# Altium PCB NG2092.PcbDoc (part 1 of 5) (continued)
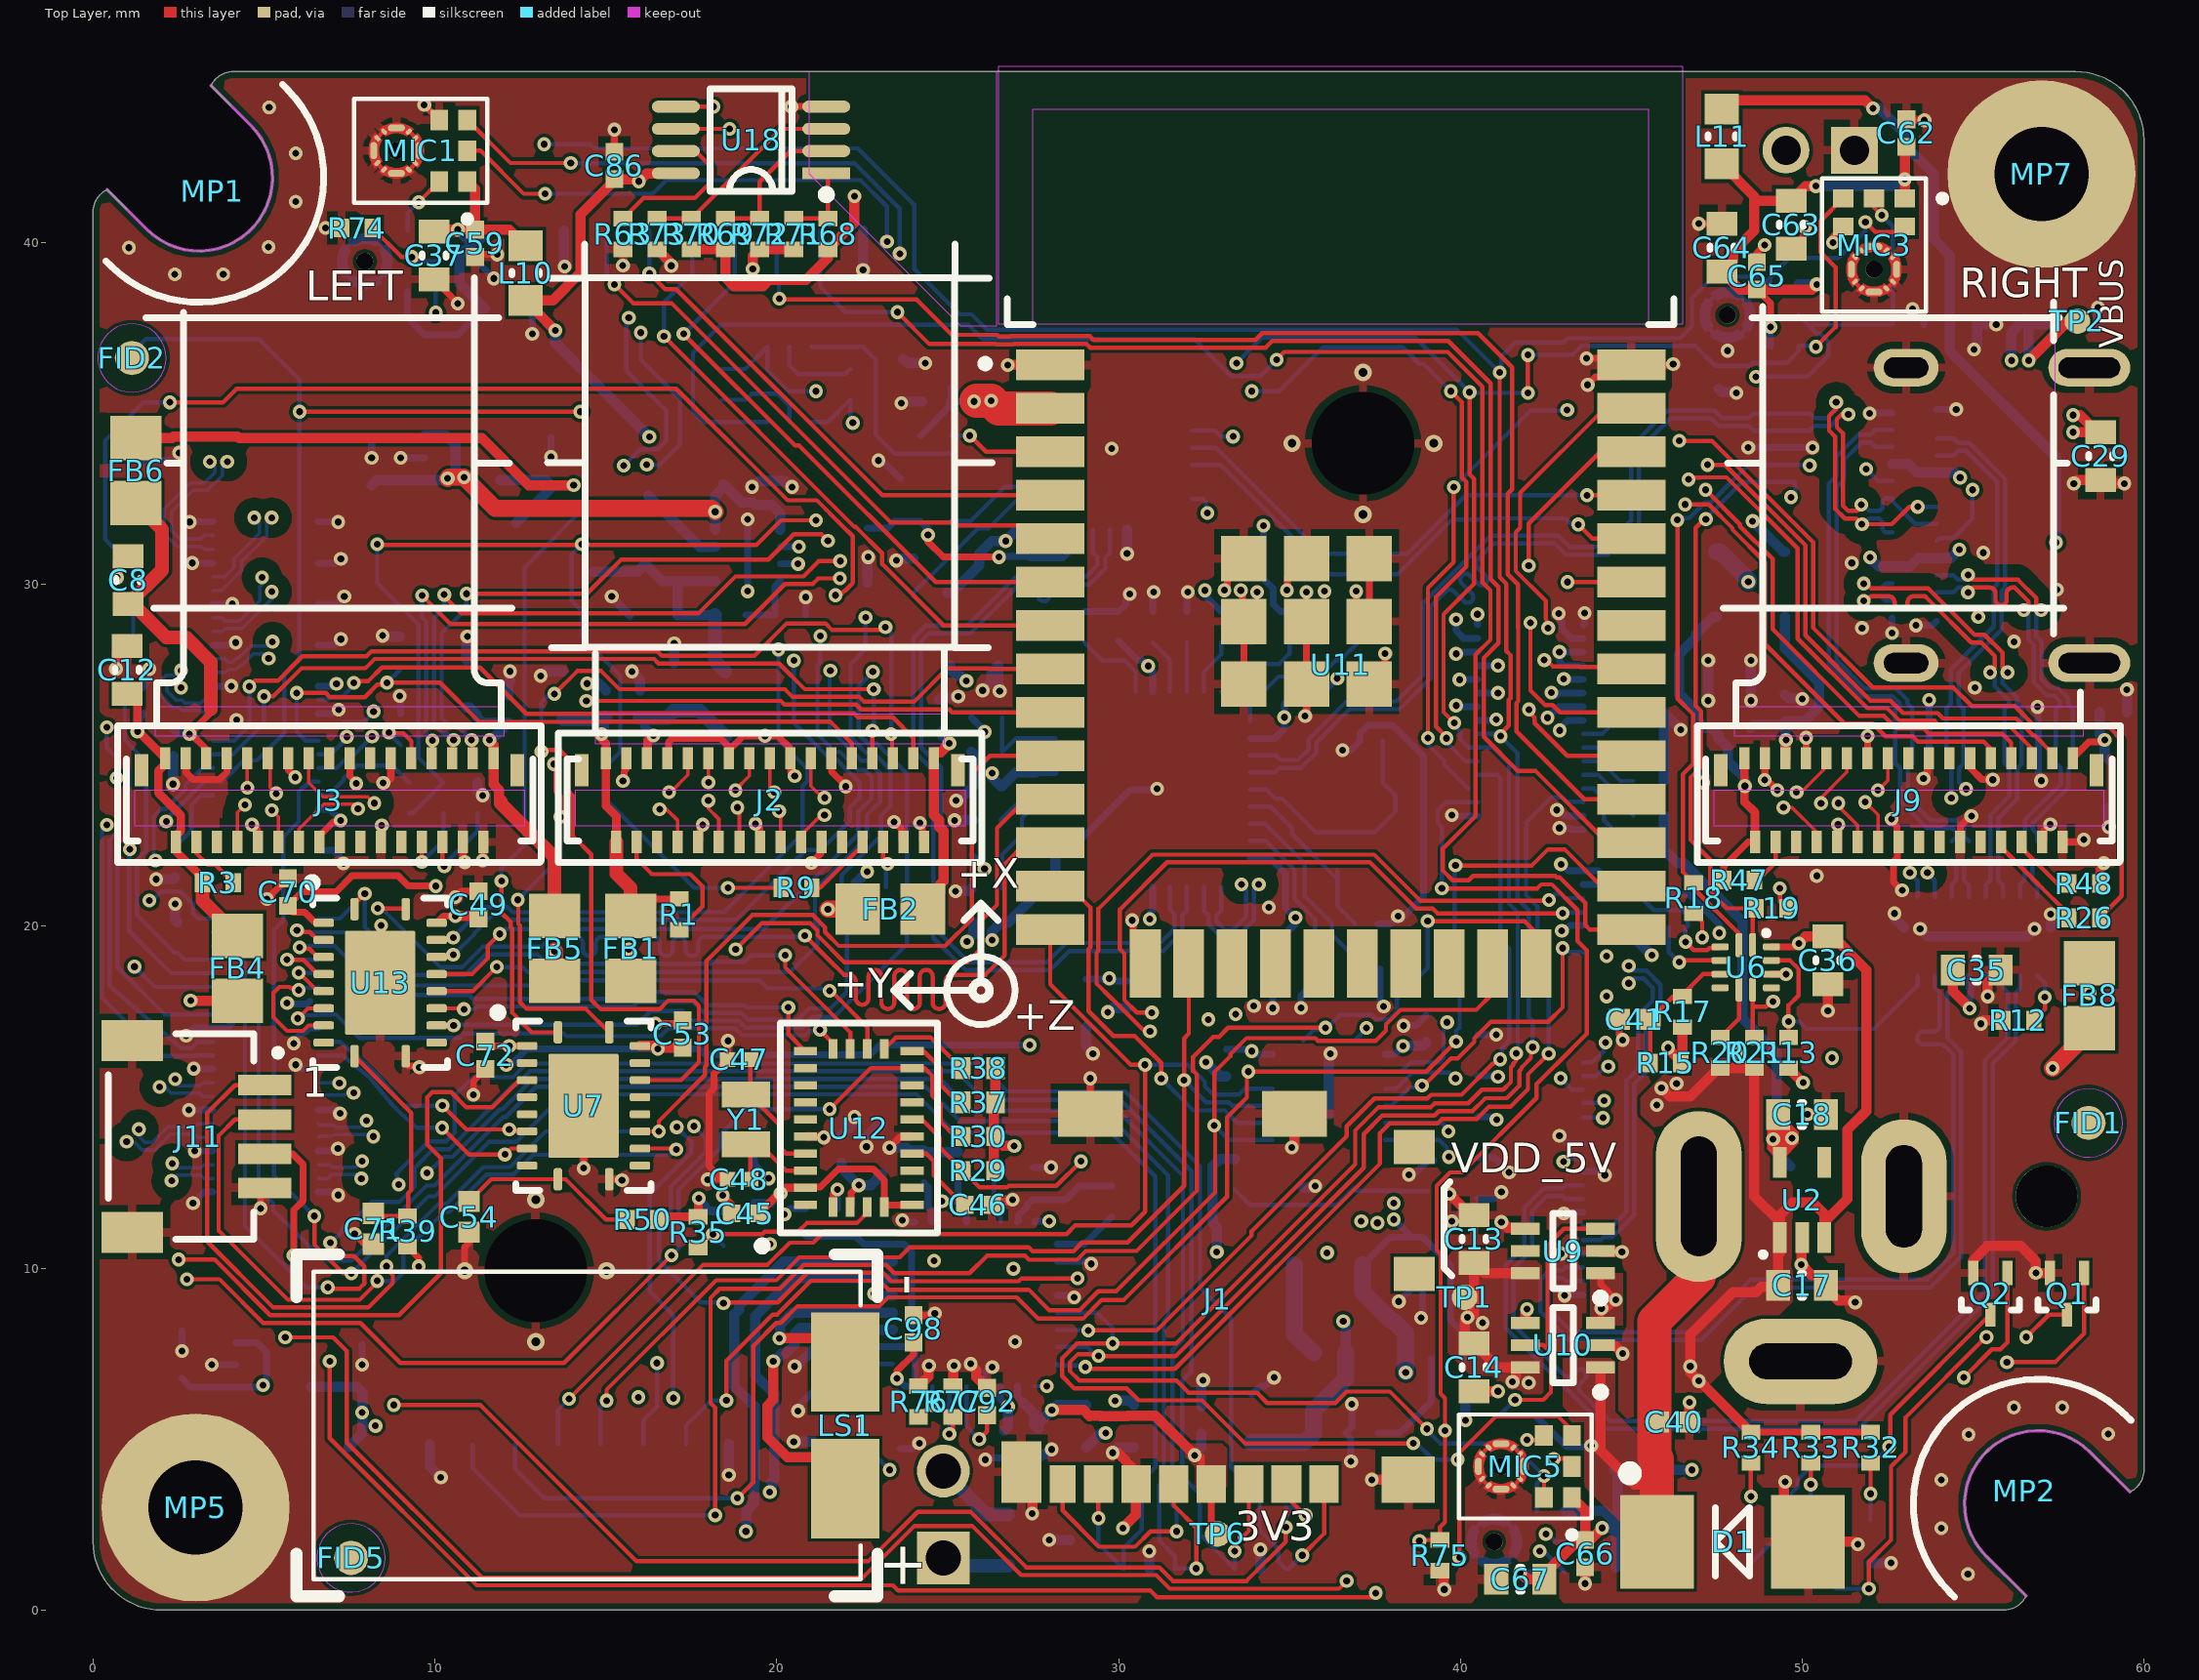
[diagram p0: Top Layer view]
## Components (designator, comment, footprint, x,y, rotation, side; value= is the part's Value field where it differs from the comment)
C1 "0.1uF 0402" CAPC0402(1005)70_L#1 16,26.5 r270 bottom
C2 "10uF 0603" CAPC0603(1608)100_L#1 17,27 r270 bottom
C3 "0.1uF 0402" CAPC0402(1005)70_L#1 24.75,26.225 r270 bottom
C4 "10uF 0603" CAPC0603(1608)100_L#1 25.775,27.625 r180 bottom
C5 "0.1uF 0402" CAPC0402(1005)70_L#1 15,26.5 r270 bottom
C6 "10uF 0603" CAPC0603(1608)100_L#1 13.75,26.75 r270 bottom
C7 "0.1uF 0402" CAPC0402(1005)70_L#1 2.35,25.375 r90 bottom
C8 "10uF 0603" CAPC0603(1608)100_L#1 1.025,30.125 r270 top
C9 "0.1uF 0402" CAPC0402(1005)70_L#1 12.15,26.35 r270 bottom
C10 "10uF 0603" CAPC0603(1608)100_L#1 10.925,27.1 r270 bottom
C11 "0.1uF 0402" CAPC0402(1005)70_L#1 1.4,26.6 r270 bottom
C12 "10uF 0603" CAPC0603(1608)100_L#1 1,27.5 r270 top
C13 "22uF 0603" CAPC0603(1608)100_L#1 40.4,10.85 r270 top
C14 "22uF 0603" CAPC0603(1608)100_L#1 40.4,7.1 r90 top
C15 "10uF 0603" CAPC0603(1608)100_L#1 33.9,5.6 r270 bottom
C16 "22uF 0603" CAPC0603(1608)100_L#2 38.9,10.1 r270 bottom
C17 "10uF 0603" CAPC0603(1608)100_L#1 50,9.5 r180 top
C18 "10uF 0603" CAPC0603(1608)100_L#1 50,14.5 r180 top
C19 "10uF 0603" CAPC0603(1608)100_L#1 2.6,7.475 r270 bottom
C20 "10uF 0603" CAPC0603(1608)100_L#1 7.875,7.075 r270 bottom
C21 "10uF 0603" CAPC0603(1608)100_L#1 19.15,33.025 r180 bottom
C22 "22uF 0603" CAPC0603(1608)100_L#1 16.4,29.1 r0 bottom
C23 "0.1uF 0402" CAPC0402(1005)70_L#1 49.5,26.375 r270 bottom
C24 "10uF 0603" CAPC0603(1608)100_L#1 48.5,26.5 r270 bottom
C25 "0.1uF 0402" CAPC0402(1005)70_L#1 59.1,26.25 r180 bottom
C26 "10uF 0603" CAPC0603(1608)100_L#1 58.975,24.175 r90 bottom
C27 "0.1uF 0402" CAPC0402(1005)70_L#1 47.5,24.75 r0 bottom
C28 "10uF 0603" CAPC0603(1608)100_L#1 47.25,26.5 r270 bottom
C29 "10uF 0603" CAPC0603(1608)100_L#2 58.725,33.75 r90 top
C30 "10uF 0603" CAPC0603(1608)100_L#2 55.825,37.775 r0 bottom
C31 "0.1uF 0201" CAPC0201(0603)33_L 54.877,22.208 r270 bottom
C32 "0.1uF 0201" CAPC0201(0603)33_L 54.377,22.208 r270 bottom
C33 "0.1uF 0201" CAPC0201(0603)33_L 56.877,22.208 r270 bottom
C34 "0.1uF 0201" CAPC0201(0603)33_L 56.377,22.208 r270 bottom
C35 "10uF 0603" CAPC0603(1608)100_L#2 55.1,18.725 r180 top
C36 "10uF 0603" CAPC0603(1608)100_L#2 50.75,19 r90 top
C37 "10uF 0603" CAPC0603(1608)100_L#1 9.975,39.625 r90 top
C38 "10uF 0603" CAPC0603(1608)100_L#1 8.15,33.6 r270 bottom
C39 "10uF 0603" CAPC0603(1608)100_L#1 13.4,33.6 r270 bottom
C40 "1uF 0402" CAPC0402(1005)70_N#1 46.25,5.5 r180 top
C41 "1uF 0402" CAPC0402(1005)70_N#1 45.1,17.275 r0 top
C42 "10uF 0603" CAPC0603(1608)100_L#2 23.075,13.45 r270 bottom
C43 "10uF 0603" CAPC0603(1608)100_L#2 19.35,12.6 r270 bottom
C44 "0.1uF 0402" CAPC0402(1005)70_L#2 21.9,13.475 r270 bottom
C45 "0.1uF 0402" CAPC0402(1005)70_L#2 19.075,11.6 r0 top
C46 "0.1uF 0402" CAPC0402(1005)70_L#2 25.9,11.85 r0 top
C47 "18pF 0201" CAPC0201(0603)33_N#1 18.9,16.1 r0 top
C48 "18pF 0201" CAPC0201(0603)33_N#1 18.9,12.6 r0 top
C49 "0.1uF 0402" CAPC0402(1005)70_L#2 11.275,20.625 r270 top
C50 "0.1uF 0402" CAPC0402(1005)70_L#2 33.15,16 r90 bottom
C51 "0.1uF 0402" CAPC0402(1005)70_L#2 39,17 r270 bottom
C52 "1uF 0402" CAPC0402(1005)70_N#1 39.05,12.7 r270 bottom
C53 "0.1uF 0402" CAPC0402(1005)70_L#2 17.25,16.85 r270 top
C54 "1uF 0402" CAPC0402(1005)70_N#1 11,11.5 r90 top
C55 "0.1uF 0402" CAPC0402(1005)70_L#2 24.65,35.35 r0 bottom
C56 "10uF 0603" CAPC0603(1608)100_L#2 24.4,36.6 r0 bottom
C57 "4.7uF 0603" CAPC0603(1608)100_N 24.4,33.1 r0 bottom
C58 "4.7uF 0603" CAPC0603(1608)100_N 22.65,30.85 r90 bottom
C59 "0.1uF 0402" CAPC0402(1005)70_L#1 11.175,39.975 r90 top
C60 "10uF 0603" CAPC0603(1608)100_L#1 12.15,38.075 r180 bottom
C61 "0.1uF 0402" CAPC0402(1005)70_L#1 11.35,39.725 r90 bottom
C62 "0.1uF 0402" CAPC0402(1005)70_L#1 53.05,43.2 r270 top
C63 "10uF 0603" CAPC0603(1608)100_L#1 49.675,40.525 r90 top
C64 "10uF 0603" CAPC0603(1608)100_L#1 47.65,39.85 r270 top
C65 "0.1uF 0402" CAPC0402(1005)70_L#1 48.675,39.025 r270 top
C66 "0.1uF 0402" CAPC0402(1005)70_L#1 43.65,1.65 r90 top
C67 "10uF 0603" CAPC0603(1608)100_L#1 41.75,0.9 r0 top
C68 "10uF 0603" CAPC0603(1608)100_L#1 45.25,1.25 r180 bottom
C69 "0.1uF 0402" CAPC0402(1005)70_L#1 45,2.5 r180 bottom
C70 "0.1uF 0402" CAPC0402(1005)70_L#2 5.7,21 r270 top
C71 "1uF 0402" CAPC0402(1005)70_N#1 8.2,11.15 r90 top
C72 "0.1uF 0402" CAPC0402(1005)70_L#2 11.475,16.225 r90 top
C73 "0.1uF 0402" CAPC0402(1005)70_L#2 32.425,5.55 r270 bottom
C74 "18pF 0201" CAPC0201(0603)33_N#2 37.25,20.075 r0 bottom
C75 "18pF 0201" CAPC0201(0603)33_N#2 37.4,25.425 r180 bottom
C76 "0.1uF 0402" CAPC0402(1005)70_L#2 34,28.75 r270 bottom
C77 "0.1uF 0402" CAPC0402(1005)70_L#2 37.25,18.75 r180 bottom
C78 "0.1uF 0402" CAPC0402(1005)70_L#2 26.15,23.1 r0 bottom
C79 "10uF 0603" CAPC0603(1608)100_L#1 29.05,17.75 r90 bottom
C80 "0.1uF 0402" CAPC0402(1005)70_L#2 30.25,18 r90 bottom
C81 "0.1uF 0402" CAPC0402(1005)70_L#2 34.75,19.25 r90 bottom
C82 "0.1uF 0402" CAPC0402(1005)70_L#2 35.5,26.75 r180 bottom
C83 "0.1uF 0402" CAPC0402(1005)70_L#2 30,28.75 r270 bottom
C84 "0.1uF 0402" CAPC0402(1005)70_L#2 26.15,24.1 r0 bottom
C85 "0.1uF 0402" CAPC0402(1005)70_L#2 26.15,20.1 r0 bottom
C86 "0.1uF 0402" CAPC0402(1005)70_L#2 15.25,42.25 r270 top
C89 "2.2uF 0402" CAPC0402(1005)70_N#2 29.8,11.95 r90 bottom
C91 "10uF 0603" CAPC0603(1608)100_L#1 21.775,4.925 r0 bottom
C92 "0.1uF 0402" CAPC0402(1005)70_L#2 26.15,6.1 r270 top
C93 "2.2uF 0402" CAPC0402(1005)70_N#2 21.55,6.425 r0 bottom
C94 "10uF 0603" CAPC0603(1608)100_L#1 29.75,4.75 r180 bottom
C95 "0.1uF 0402" CAPC0402(1005)70_L#2 26.65,4.85 r90 bottom
C96 "10uF 0603" CAPC0603(1608)100_L#1 29.75,6 r180 bottom
C97 "0.1uF 0402" CAPC0402(1005)70_L#2 27.65,4.85 r90 bottom
C98 "0.1uF 0402" CAPC0402(1005)70_L#2 24,8.225 r270 top
C99 "0.1uF 0402" CAPC0402(1005)70_L#2 20.85,11.35 r270 bottom
C100 "0.1uF 0402" CAPC0402(1005)70_L#2 21.55,7.7 r0 bottom
C101 "0.1uF 0402" CAPC0402(1005)70_L#2 21.775,11.325 r270 bottom
C102 "1uF 0402" CAPC0402(1005)70_N#1 25.3,12.95 r270 bottom
C103 "2.2uF 0402" CAPC0402(1005)70_N#2 27.05,12.95 r180 bottom
D1 "3W, 5.6V" 1SMB5919BT3G 47.96,2 r0 top
D2 "RED 0603" SML_D1XX8W 52,2 r90 bottom
D3 "ORANGE 0603" SML_D1XX8W 50.25,2 r90 bottom
D4 "ORANGE 0603" SML_D1XX8W 48.5,2 r90 bottom
D5 "PESD3V3L4UG,115" PESD3V3L4UG,115 34.15,2.1 r90 bottom
D6 "TPD4EUSB30DQAR" TPD4EUSB30DQAR 49.4,34 r270 bottom
D7 "TPD4EUSB30DQAR" TPD4EUSB30DQAR 53.715,25.575 r180 bottom
D8 "TPD4EUSB30DQAR" TPD4EUSB30DQAR 56.915,25.575 r180 bottom
D9 "PESD3V3L4UG,115" PESD3V3L4UG,115 30.9,2.1 r90 bottom
D10 "PESD5V0L4UG,115" PESD3V3L4UG,115 27.675,2.05 r180 bottom
FB1 "600R/100MHz" 2508056017Y2 15.725,19.35 r90 top
FB2 "600R/100MHz" 2508056017Y2 23.325,20.5 r0 top
FB3 "600R/100MHz" 2508056017Y2 18.5,26.5 r270 bottom
FB4 "600R/100MHz" 2508056017Y2 4.225,18.775 r90 top
FB5 "600R/100MHz" 2508056017Y2 13.5,19.35 r90 top
FB6 "600R/100MHz" 2508056017Y2 1.25,33.325 r270 top
FB7 "600R/100MHz" 2508056017Y2 47.5,30 r270 bottom
FB8 "600R/100MHz" 2508056017Y2 58.4,17.975 r90 top
FB9 "600R/100MHz" 2508056017Y2 49.5,30 r270 bottom
FID1 "FIDUCIAL_ROUND_1MM" FIDUCIAL_ROUND_1MM 58.375,14.25 r90 top
FID2 "FIDUCIAL_ROUND_1MM" FIDUCIAL_ROUND_1MM 1.139,36.622 r90 top
FID3 "FIDUCIAL_ROUND_1MM" FIDUCIAL_ROUND_1MM 58.375,14.25 r90 bottom
FID4 "FIDUCIAL_ROUND_1MM" FIDUCIAL_ROUND_1MM 3.75,35.725 r90 bottom
FID5 "FIDUCIAL_ROUND_1MM" FIDUCIAL_ROUND_1MM 7.55,1.525 r90 top
FID6 "FIDUCIAL_ROUND_1MM" FIDUCIAL_ROUND_1MM 10.3,1.675 r90 bottom
J1 "uSD push/pull" 104031-0811 32.9,9.1 r0 top locked
J2 "FH26W-33S-0.3SHW(60)" AC-PY004-IMX378 19.788,33.55 r0 top locked
J3 "FH26W-33S-0.3SHW(60)" AC-PY003-OV9282 6.9,33.55 r0 top
J4 "68000-102HLF" 68000-102HLF 24.875,2.795 r90 bottom
J5 "8pin 1.25mm Molex Picoblade" "MOLEX: 53398-0871" 18.15,40.35 r180 bottom locked
J6 "8pin 1.25mm Molex Picoblade" "MOLEX: 53398-0871" 14.225,4.85 r0 bottom
J7 "PJ-050AH or NEB21R" PJ-050AH/NEB21R_COMBO 53,12.1 r270 bottom locked
J8 "B2B-PH-K-S(LF)(SN)" B2B-PH-K-S(LF)(SN) 50.525,42.15 r0 bottom
J9 "FH26W-33S-0.3SHW(60)" AC-PY003-OV9282 53.1,33.55 r0 top
J10 "USB3.1 TYPEC 24P SMD RA" 105450-0101 53.28,32.02 r270 bottom locked
J11 "QUIIC, side entry" SM04B-SRSS-TB(LF)(SN) 3.087,13.85 r270 top locked
J12 "DF40C-100DP-0.4V Header" CON_BW2099_A 45.05,37.025 r270 bottom
J13 "DF40C-100DP-0.4V Header" CON_BW2099_B 45.05,37.025 r270 bottom
L1 "1uH, 3.2A, 20%" DFE252012P-1R0M=P2 16.15,31.6 r270 bottom
L2 "1uH, 3.2A, 20%" DFE252012P-1R0M=P2 36.15,10.1 r0 bottom
L10 "120R/100MHz" BLM18PG121SN1D_N 12.65,39.1 r90 top
L11 "120R/100MHz" BLM18PG121SN1D_N 47.65,43.1 r270 top
L12 "120R/100MHz" BLM18PG121SN1D_N 45.3,4.1 r180 bottom
LS1 "CMS-16093-078S-67" SPKR_CMS-16093-078S-67 14.45,5.4 r90 top
MH1 "M2, 3MM steel spacer on M2.5 mounting pad" 9774030243R 37.15,34.125 r270 bottom
MH2 "M2, 3MM steel spacer on M2.5 mounting pad" 9774030243R 12.95,9.925 r270 bottom
MIC1 "ICS-43434" ICS-43434 9.585,42.687 r270 top
MIC2 "ICS-43434" ICS-43434 8.661,39.45 r90 bottom
MIC3 "ICS-43434" ICS-43434 52.1,39.925 r0 top
MIC4 "ICS-43434" ICS-43434 48.525,37.875 r90 bottom
MIC5 "ICS-43434" ICS-43434 41.9,4.2 r270 top locked
MIC6 "ICS-43434" ICS-43434 41.7,2 r90 bottom
MP1 "Slot_Hole_M2.5" SLOT_HOLE_M2.5 0,45 r180 top
MP2 "Slot_Hole_M2.5" SLOT_HOLE_M2.5 60,0 r0 top
MP5 "MOUNTING_HOLE_M2.5" MOUNTING_HOLE_M2.5 3,3 r90 top
MP7 "MOUNTING_HOLE_M2.5" MOUNTING_HOLE_M2.5 57,42 r90 top
Q1 "RE1C002UNTCL" RE1C002UNTCL 57.75,9.25 r180 top
Q2 "RE1C002UNTCL" RE1C002UNTCL 55.5,9.25 r180 top
Q4 "BC847S" BC847S 20.4,35.85 r270 bottom
R1 "10K 0402" RESC0402(1005)_L#1 17.15,20.35 r270 top
R2 "10K 0402" RESC0402(1005)_L#1 9,25.75 r90 bottom
R3 "10K 0402" RESC0402(1005)_L#1 3.65,21.275 r0 top
R4 "22R 0402" RESC0402(1005)_L#1 9.25,23.75 r270 bottom
R5 "442K 0402" RESC0402(1005)_N#1 39.65,7.35 r0 bottom
R6 "97.6K 0402" RESC0402(1005)_N#1 39.65,6.1 r180 bottom
R7 "53.6k 0402" RESC0402(1005)_L#1 18.65,29.1 r180 bottom
R8 "39.2k 0402" RESC0402(1005)_L#1 20.4,29.1 r180 bottom
R9 "0R 0402" RESC0402(1005)_L#1 20.575,21.125 r180 top
R10 "100K 0402" RESC0402(1005)_L#1 53.1,37.6 r0 bottom
R11 "10K 0402" RESC0402(1005)_L#1 58.2,37.6 r180 bottom
R12 "10K 0402" RESC0402(1005)_L#1 56.325,17.25 r180 top
R13 "10K 0402" RESC0402(1005)_L#1 49.6,16.3 r270 top
R14 "10K 0402" RESC0402(1005)_L#1 45.65,20.925 r0 bottom
R15 "1.8MR 0402" RESC0402(1005)_L#1 46,16 r180 top
R16 "10K 0402" RESC0402(1005)_L#1 45.65,19.975 r180 bottom
R17 "1.8MR 0402" RESC0402(1005)_L#1 46.5,17.5 r90 top
R18 "0R 0402" RESC0402(1005)_L#1 46.825,20.825 r90 top
R19 "0R 0402" RESC0402(1005)_L#1 49.1,20.525 r180 top
R20 "10K 0402" RESC0402(1005)_L#1 47.6,16.3 r270 top
R21 "10K 0402" RESC0402(1005)_L#1 48.6,16.3 r270 top
R22 "10K 0402" RESC0402(1005)_L#2 45.5,22.25 r0 bottom
R23 "10K 0402" RESC0402(1005)_L#2 45.5,23.25 r0 bottom
R24 "0R 0402" RESC0402(1005)_L#1 10.25,23.75 r270 bottom
R25 "10K 0402" RESC0402(1005)_L#1 22.75,21.15 r180 bottom
R26 "0R 0402" RESC0402(1005)_L#1 58.25,20.25 r180 top
R27 "10K 0402" RESC0402(1005)_L#1 8.975,28.025 r90 bottom
R28 "10K 0402" RESC0402(1005)_L#1 11.25,23.75 r90 bottom
R29 "10K 0402" RESC0402(1005)_L#2 25.9,12.85 r0 top
R30 "10K 0402" RESC0402(1005)_L#2 25.9,13.85 r0 top
R31 "10K 0402" RESC0402(1005)_L#2 45.5,24.25 r180 bottom
R32 "1K 0402" RESC0402(1005)_L#1 52,4.75 r90 top
R33 "1K 0402" RESC0402(1005)_L#1 50.25,4.75 r90 top
R34 "1K 0402" RESC0402(1005)_L#1 48.5,4.75 r90 top
R35 "10K 0402" RESC0402(1005)_L#2 17.7,11.05 r90 top
R36 "0R 0402" RESC0402(1005)_L#1 18.9,10.65 r180 bottom
R37 "2.2K 0402" RESC0402(1005)_N#1 25.9,14.85 r180 top
R38 "2.2K 0402" RESC0402(1005)_N#1 25.9,15.85 r180 top
R39 "1K 0402" RESC0402(1005)_L#2 9.2,11.075 r270 top
R40 "1K 0402" RESC0402(1005)_L#2 33.4,12.75 r90 bottom
R41 "10K 0402" RESC0402(1005)_L#2 24.65,34.35 r180 bottom
R42 "22.1K 0402" RESC0402(1005)_N#1 24.5,29.75 r0 bottom
R43 "10K 0402" RESC0402(1005)_L#2 18.4,35.85 r270 bottom
R44 "47.5K 0402" RESC0402(1005)_N#1 24.5,30.75 r0 bottom
R45 "1K 0402" RESC0402(1005)_L#1 24.65,31.85 r0 bottom
R46 "10K 0402" RESC0402(1005)_L#2 22.15,35.85 r270 bottom
R47 "10K 0402" RESC0402(1005)_L#1 48.15,21.35 r0 top
R48 "10K 0402" RESC0402(1005)_L#1 58.25,21.25 r0 top
R49 "10K 0402" RESC0402(1005)_L#1 2.475,19.675 r90 bottom
R50 "10K 0402" RESC0402(1005)_L#2 16.075,11.425 r180 top
R51 "100K 0402" RESC0402(1005)_L#2 35,28.75 r90 bottom
R52 "10K 0402" RESC0402(1005)_L#2 26.15,22.1 r0 bottom
R53 "10K 0402" RESC0402(1005)_L#2 26.15,21.1 r0 bottom
R54 "10K 0402" RESC0402(1005)_L#2 26.15,26.1 r0 bottom
R55 "10K 0402" RESC0402(1005)_L#2 26.15,25.1 r0 bottom
R56 "100K 0402" RESC0402(1005)_L#2 36,28.75 r270 bottom
R57 "10K 0402" RESC0402(1005)_L#2 31,28.75 r270 bottom
R58 "10K 0402" RESC0402(1005)_L#2 29,28.75 r270 bottom
R59 "10K 0402" RESC0402(1005)_L#2 32,28.75 r270 bottom
R60 "10K 0402" RESC0402(1005)_L#2 45.5,25.25 r180 bottom
R61 "10K 0402" RESC0402(1005)_L#2 45.5,26.25 r180 bottom
R62 "10K 0402" RESC0402(1005)_L#2 37,28.75 r270 bottom
R63 "1K 0402" RESC0402(1005)_L#2 15.5,40.25 r90 top
R64 "100K 0402" RESC0402(1005)_L#2 33,28.75 r90 bottom
R65 "12.1K 0402" RESC0402(1005)_N#1 35.75,19.25 r90 bottom
R66 "10K 0402" RESC0402(1005)_L#2 24.3,12.95 r270 bottom
R67 "1K 0402" RESC0402(1005)_L#2 2.4,21.875 r90 bottom
R68 "10K 0402" RESC0402(1005)_L#2 21.5,40.25 r270 top
R69 "10K 0402" RESC0402(1005)_L#2 18.5,40.25 r270 top
R70 "10K 0402" RESC0402(1005)_L#2 17.5,40.25 r270 top
R71 "10K 0402" RESC0402(1005)_L#2 20.5,40.25 r90 top
R72 "10K 0402" RESC0402(1005)_L#2 19.5,40.25 r90 top
R73 "10K 0402" RESC0402(1005)_L#2 16.5,40.25 r90 top
R74 "100K 0402" RESC0402(1005)_L#1 7.725,40.425 r180 top
R75 "100K 0402" RESC0402(1005)_L#1 39.4,1.6 r270 top
R76 "0R 0402" RESC0402(1005)_L#2 24.15,6.1 r270 top
R77 "0R 0402" RESC0402(1005)_L#2 25.15,6.1 r270 top
R78 "10K 0402" RESC0402(1005)_N#2 41.7,5.675 r0 bottom
SW1 "MX Reset" OMRON-B3U-3000P_V 1.4,35.325 r90 bottom
TP1 "TP075_150_NS" TP075_150_NS 40.125,9.15 r90 top
TP2 "TP075_150_NS" TP075_150_NS 58.05,37.7 r90 top
TP3 "TP075_150_NS" TP075_150_NS 12.375,31.8 r90 bottom
TP4 "TP075_150_NS" TP075_150_NS 49.65,12.975 r90 bottom
TP5 "TP075_150_NS" TP075_150_NS 7.475,4.775 r90 bottom
TP6 "TP075_150_NS" TP075_150_NS 32.9,2.225 r90 top
TP7 "TP075_150_NS" TP075_150_NS 14.65,30.375 r90 bottom
U1 "TLV62569DBVR" SOT95P270X130-6N 36.65,6.35 r90 bottom
U2 "TLV70018DCK" TLV70018DCK 50,12 r0 top
U3 "TLV70028DCK" TLV70028DCK 5.275,7.175 r90 bottom
U4 "TLV62080DSG" TLV62080DSG 19.15,30.85 r180 bottom
U5 "USB Type-C Switch" HD3SS3212RKSR 55.127,19.708 r90 bottom
U6 "USB Type-C Port Control" TUSB321RWBR 48.35,18.8 r0 top
U7 "TXS0108ERGYR" TXS0108ERGYR 14.35,14.75 r0 top locked
U8 "TLV70012DCK" TLV70012DCK 10.8,33.7 r90 bottom
U9 "1.5A ideal diode" LM66100DCKR 43,10.5 r180 top
U10 "1.5A ideal diode" LM66100DCKR 43,7.75 r180 top
U11 "ESP32-WROOM-32D MODULE" "ESP32-WROOM-X (PCB)" 36.5,31.157 r0 top locked
U12 "BNO085" BNO085 22.4,14.1 r180 top
U13 "TXS0108ERGYR" TXS0108ERGYR 8.4,18.35 r0 top
U14 "TXS0108ERGYR" TXS0108ERGYR 36.15,14.5 r180 bottom
U15 "CP2102N-A02-GQFN28R" CP2102N-A02-GQFN28R 29.75,34 r90 bottom
U16 "USB2512BI-AEZG" QFN50P600X600X100_HS-37N 31,24 r90 bottom
U17 "LM49450SQ/NOPB" QFN50P500X500X80_HS-33N 25.8,8.95 r180 bottom
U18 "24AA32A-I/MS 8-MSOP" 24AA32A-I/MS 19.25,43 r180 top
X1 "24MHz" MCSJK-7U-24.00-12-30-60-B-30 37.245,22.731 r270 bottom
Y1 "ABS06-127-32.768KHZ-T" ABS06-127-32.768KHZ-T 19.1,14.35 r270 top

## Footprints (in the part's own frame and the unit in brackets; to place one, negate y for a bottom-side part, rotate by r counter-clockwise, add the part's x,y. Pads: shape width x height; smd on the part's side, far side on the other; paste and mask are expansions set on the pad)
1SMB5919BT3G [mm] "Molded, 2-Leads, Body 4.6x3.95mm"
  rect 2.159x2.743 smd mask+0.05: 1(-2.21,0) 2(2.21,0)
  silkscreen extent -3.1,-1 0.5,2.1, body extent -2.3,-1.97 2.3,1.97, height 2.42
24AA32A-I/MS [mm] "Body: 3 x 3mm, pitch: 0.65mm"
  rect 1.4x0.35 smd mask+0.05: 1(-2.2,0.975)
  oval 1.4x0.35 smd mask+0.05: 2(-2.2,0.325) 3(-2.2,-0.325) 4(-2.2,-0.975) 5(2.2,-0.975) 6(2.2,-0.325) 7(2.2,0.325) 8(2.2,0.975)
  silkscreen extent -2.33,-1.5 1.2,1.72, body extent -2.45,-1.5 2.45,1.5, height 1.15
68000-102HLF [mm] "THD, 2-Leads, Body 5.08x2.41mm, Pitch 2.54mm"
  rect 1.55x1.55 hole 1.02 mask+0.05: 1(-1.27,0)
  round 1.55 hole 1.02 mask+0.05: 2(1.27,0)
  body extent -2.54,-1.2 2.54,1.2, height 8.38
104031-0811 [mm] "10 (8 + 2) Position Card Connector Secure Digital - microSD™ Surface Mount, Right Angle Gold"
  rect 0.85x1.1 smd mask+0.05: 1(3.113,-5.412) 3(0.913,-5.412) 4(-0.188,-5.412) 5(-1.288,-5.412) 6(-2.387,-5.412) 7(-3.487,-5.412)
  rect 0.875x1.1 smd mask+0.05: 2(2.013,-5.412)
  rect 0.75x1.1 smd mask+0.05: 8(-4.537,-5.412)
  rect 1.2x1 smd mask+0.05: 9(5.748,0.738) 10(5.748,4.438)
  rect 1.9x1.35 smd mask+0.05: 11(2.248,5.413) 12(-3.722,5.413)
  rect 1.17x1.8 smd mask+0.05: 13(-5.747,-5.062)
  rect 1.55x1.35 smd mask+0.05: 14(5.573,-5.287)
  body extent -5.95,-5.65 6,5.75, height 1.44
105450-0101 [mm] "USB3.1 Type-C Molex SMT, RA, TH"
  rect 0.3x0.7 smd mask+0.05: A1(-3,0.65) A2(-2.5,0.65) A3(-2,0.65) A4(-1.5,0.65) A5(-1,0.65) A6(-0.5,0.65) A7(0.5,0.65) A8(1,0.65) A9(1.5,0.65) A10(2,0.65) A11(2.5,0.65) A12(3,0.65) B2(2.25,-0.65) B3(1.75,-0.65) B4(1.25,-0.65) B5(0.75,-0.65) B6(0.25,-0.65) B7(-0.25,-0.65) B8(-0.75,-0.65) B9(-1.25,-0.65) B10(-1.75,-0.65) B11(-2.25,-0.65)
  rect 1x0.7 smd mask+0.05: B1(3.1,-0.65) B12(-3.1,-0.65)
  oval 1.1x1.9 hole 0.6 slot 1.3 at 90 deg mask+0.05: SH1(-4.32,0.24) SH4(4.32,0.24)
  oval 1.1x2.4 hole 0.6 slot 1.8 at 90 deg mask+0.05: SH2(-4.32,-5.12) SH3(4.32,-5.12)
  Top Layer keep-out region: -3.6,-1.299 3.6,-1.299 3.6,-5.95 -3.6,-5.95
  silkscreen extent -4.5,-3.6 4.5,-1, body extent -4.47,-7.02 4.47,0.88, height 3.2
2508056017Y2 [mm] "2508056017Y2 Chip Inductor, 2-Leads, Body 2.00x1.25mm"
  rect 1.3x1.5 smd mask+0.05: 1(-0.95,0) 2(0.95,0)
  body extent -1.1,-0.72 1.1,0.73, height 1.45
9774030243R [mm] "STANDOFF_M2X0.4_3MM with no pad on bottom of PCB"
  round 5.3 / inner round 2.7 / far side round 2.7 hole 3 mask+0.05: 1(0,0)
  body extent -2.17,-2.17 2.18,2.17, height 3.05
ABS06-127-32.768KHZ-T [mm] "2-SMD 0.079\" L x 0.047\" W (2.00mm x 1.20mm)"
  rect 0.75x1.4 smd mask+0.05: 1(-0.73,0) 2(0.73,0)
  body extent -1,-0.6 1,0.6, height 0.65
AC-PY003-OV9282 [mm] "connector: FH26W-33S-0.3SHW"
  rect 0.4x0.95 smd mask+0.05: 0(-5.488,-8.984) 0(5.512,-8.984)
  rect 0.3x0.65 smd mask+0.05: 1(4.812,-8.634) 2(4.52,-11.084) 3(4.212,-8.634) 4(3.92,-11.084) 5(3.612,-8.634) 6(3.32,-11.084) 7(3.012,-8.634) 8(2.72,-11.084) 9(2.412,-8.634) 10(2.12,-11.084) 11(1.812,-8.634) 12(1.52,-11.084) 13(1.212,-8.634) 14(0.92,-11.084) 15(0.612,-8.634) 16(0.32,-11.084) 17(0.012,-8.634) 18(-0.28,-11.084) 19(-0.588,-8.634) 20(-0.88,-11.084) 21(-1.188,-8.634) 22(-1.48,-11.084) 23(-1.788,-8.634) 24(-2.08,-11.084) 25(-2.388,-8.634) 26(-2.68,-11.084) 27(-2.988,-8.634) 28(-3.28,-11.084) 29(-3.588,-8.634) 30(-3.88,-11.084) 31(-4.188,-8.634) 32(-4.48,-11.084) 33(-4.788,-8.634)
  Top Layer keep-out region: -5.088,-7.981 5.131,-7.981 5.131,-7.138 -5.088,-7.138
  Top Layer keep-out region: -5.688,-10.602 5.73,-10.602 5.73,-9.573 -5.688,-9.573
  Top Layer keep-out region: -4.2,-4.2 4.3,-4.2 4.3,4.2 -4.2,4.2
  silkscreen extent -6.18,-11.68 6.21,5.42, body extent -5.69,-11.43 5.71,5.1, height 5.2
AC-PY004-IMX378 [mm] "connector: FH26W-33S-0.3SHW"
  rect 0.4x0.95 smd mask+0.05: 0(-5.488,-8.984) 0(5.512,-8.984)
  rect 0.3x0.65 smd mask+0.05: 1(4.812,-8.634) 2(4.52,-11.084) 3(4.212,-8.634) 4(3.92,-11.084) 5(3.612,-8.634) 6(3.32,-11.084) 7(3.012,-8.634) 8(2.72,-11.084) 9(2.412,-8.634) 10(2.12,-11.084) 11(1.812,-8.634) 12(1.52,-11.084) 13(1.212,-8.634) 14(0.92,-11.084) 15(0.612,-8.634) 16(0.32,-11.084) 17(0.012,-8.634) 18(-0.28,-11.084) 19(-0.588,-8.634) 20(-0.88,-11.084) 21(-1.188,-8.634) 22(-1.48,-11.084) 23(-1.788,-8.634) 24(-2.08,-11.084) 25(-2.388,-8.634) 26(-2.68,-11.084) 27(-2.988,-8.634) 28(-3.28,-11.084) 29(-3.588,-8.634) 30(-3.88,-11.084) 31(-4.188,-8.634) 32(-4.48,-11.084) 33(-4.788,-8.634)
  Top Layer keep-out region: -5.388,-5.436 5.412,-5.436 5.412,5.4 -5.388,5.4
  Top Layer keep-out region: -5.688,-10.602 5.73,-10.602 5.73,-9.573 -5.688,-9.573
  Top Layer keep-out region: -5.1,-8.2 5.119,-8.2 5.119,-7.357 -5.1,-7.357
  silkscreen extent -6.5,-11.68 6.52,6.4, body extent -5.69,-11.43 5.71,5.4, height 6.55
B2B-PH-K-S(LF)(SN) [mm] "3.4mm pins, 6mm housing"
  rect 1.368x1.368 hole 0.86 mask+0.05: P1(1,-0.55)
  round 1.368 hole 0.86 mask+0.05: P2(-1,-0.55)
  silkscreen extent -3.2,-2.5 3.2,2.5, body extent -2.95,-2.25 2.95,2.25, height 6
BC847S [mm] "SOT363, 6-Leads, Body 2.4x2.2mm (max), Pitch 0.65mm, IPC Medium Density"
  rrect50% 0.9x0.4 smd mask+0.076: 1(-1.1,0.675) 2(-1.1,0.025) 3(-1.1,-0.625) 4(1.1,-0.625) 5(1.1,0.025) 6(1.1,0.675)
  silkscreen extent -1.22,-1.07 0.25,1.42, body extent -1.1,-0.97 1.1,1.01, height 0.99
BLM18PG121SN1D_N [mm] "Chip Inductor, 2-Leads, Body 1.60x0.80mm, IPC Medium Density"
  rect 0.9x1 smd mask+0.05: 1(-0.8,0) 2(0.8,0)
  silkscreen extent -0.05,-0.4 0.05,0.4, body extent -0.87,-0.48 0.88,0.47, height 1
BNO085 [mm] "28-TFLGA Module (5.2x3.8)"
  rect 0.675x0.25 smd paste+0 mask+0: 1(1.562,2.25) 6(-1.562,2.25) 7(-1.562,1.75) 8(-1.562,1.25) 9(-1.562,0.75) 10(-1.562,0.25) 11(-1.562,-0.25) 12(-1.562,-0.75) 13(-1.562,-1.25) 14(-1.562,-1.75) 15(-1.562,-2.25) 20(1.562,-2.25) 21(1.562,-1.75) 22(1.562,-1.25) 23(1.562,-0.75) 24(1.562,-0.25) 25(1.562,0.25) 26(1.562,0.75) 27(1.562,1.25) 28(1.562,1.75)
  rect 0.25x0.575 smd paste+0 mask+0: 2(0.75,2.312) 3(0.25,2.312) 4(-0.25,2.312) 5(-0.75,2.312) 16(-0.75,-2.312) 17(-0.25,-2.312) 18(0.25,-2.312) 19(0.75,-2.312)
  silkscreen extent -2.3,-3.08 2.95,3.57, body extent -1.9,-2.6 1.9,2.6, height 1.18
CAPC0201(0603)33_L [mm] "Chip Capacitor, Body 0.6x0.3mm, Height 0.33mm, IPC High Density"
  rect 0.36x0.32 smd mask+0.05: 1(-0.28,0) 2(0.28,0)
  body extent -0.32,-0.17 0.32,0.17, height 0.33
CAPC0201(0603)33_N#1 [mm] "Chip Capacitor, Body 0.6x0.3mm, Height 0.33mm, IPC Medium Density"
  rect 0.46x0.42 smd mask+0.05: 1(-0.33,0) 2(0.33,0)
  body extent -0.31,-0.16 0.32,0.17, height 0.33
CAPC0201(0603)33_N#2 [mm] "Chip Capacitor, Body 0.6x0.3mm, Height 0.33mm, IPC Medium Density"
  rect 0.46x0.42 smd: 1(-0.33,0) 2(0.33,0)
  body extent -0.31,-0.16 0.32,0.17, height 0.33
CAPC0402(1005)70_L#1 [mm] "Chip Capacitor, Body 1.0x0.5mm, Height 0.7mm, IPC High Density"
  rect 0.52x0.52 smd mask+0.05: 1(-0.4,0) 2(0.4,0)
  body extent -0.55,-0.3 0.55,0.3, height 0.7
CAPC0402(1005)70_L#2 [mm] "Chip Capacitor, Body 1.0x0.5mm, Height 0.7mm, IPC High Density"
  rect 0.52x0.52 smd: 1(-0.4,0) 2(0.4,0)
  body extent -0.55,-0.3 0.55,0.3, height 0.7
CAPC0402(1005)70_N#1 [mm] "Chip Capacitor, Body 1.0x0.5mm, Height 0.7mm, IPC Medium Density"
  rect 0.62x0.62 smd mask+0.05: 1(-0.45,0) 2(0.45,0)
  body extent -0.55,-0.3 0.55,0.3, height 0.7
CAPC0402(1005)70_N#2 [mm] "Chip Capacitor, Body 1.0x0.5mm, Height 0.7mm, IPC Medium Density"
  rect 0.62x0.62 smd: 1(-0.45,0) 2(0.45,0)
  body extent -0.55,-0.3 0.55,0.3, height 0.7
CAPC0603(1608)100_L#1 [mm] "Chip Capacitor, Body 1.6x0.8mm, Height 1.0mm, IPC High Density"
  rect 0.7x0.9 smd mask+0.05: 1(-0.7,0) 2(0.7,0)
  silkscreen extent -0.05,-0.35 0.05,0.35, body extent -0.87,-0.47 0.88,0.48, height 1
CAPC0603(1608)100_L#2 [mm] "Chip Capacitor, Body 1.6x0.8mm, Height 1.0mm, IPC High Density"
  rect 0.7x0.9 smd: 1(-0.7,0) 2(0.7,0)
  silkscreen extent -0.05,-0.35 0.05,0.35, body extent -0.87,-0.47 0.88,0.48, height 1
CAPC0603(1608)100_N [mm] "Chip Capacitor, Body 1.6x0.8mm, Height 1.0mm, IPC Medium Density"
  rect 0.9x1 smd mask+0.05: 1(-0.8,0) 2(0.8,0)
  silkscreen extent -0.05,-0.4 0.05,0.4, body extent -0.87,-0.48 0.88,0.47, height 1
CON_BW2099_A [mm]
  rect 0.18x0.7 smd mask+0.05: 1(5.2,41.54) 2(5.2,38.46) 3(5.6,41.54) 4(5.6,38.46) 5(6,41.54) 6(6,38.46) 7(6.4,41.54) 8(6.4,38.46) 9(6.8,41.54) 10(6.8,38.46) 11(7.2,41.54) 12(7.2,38.46) 13(7.6,41.54) 14(7.6,38.46) 15(8,41.54) 16(8,38.46) 17(8.4,41.54) 18(8.4,38.46) 19(8.8,41.54) 20(8.8,38.46) 21(9.2,41.54) 22(9.2,38.46) 23(9.6,41.54) 24(9.6,38.46) 25(10,41.54) 26(10,38.46) 27(10.4,41.54) 28(10.4,38.46) 29(10.8,41.54) 30(10.8,38.46) 31(11.2,41.54) 32(11.2,38.46) 33(11.6,41.54) 34(11.6,38.46) 35(12,41.54) 36(12,38.46) 37(12.4,41.54) 38(12.4,38.46) 39(12.8,41.54) 40(12.8,38.46) 41(13.2,41.54) 42(13.2,38.46) 43(13.6,41.54) 44(13.6,38.46) 45(14,41.54) 46(14,38.46) 47(14.4,41.54) 48(14.4,38.46) 49(14.8,41.54) 50(14.8,38.46) 51(15.2,41.54) 52(15.2,38.46) 53(15.6,41.54) 54(15.6,38.46) 55(16,41.54) 56(16,38.46) 57(16.4,41.54) 58(16.4,38.46) 59(16.8,41.54) 60(16.8,38.46) 61(17.2,41.54) 62(17.2,38.46) 63(17.6,41.54) 64(17.6,38.46) 65(18,41.54) 66(18,38.46) 67(18.4,41.54) 68(18.4,38.46) 69(18.8,41.54) 70(18.8,38.46) 71(19.2,41.54) 72(19.2,38.46) 73(19.6,41.54) 74(19.6,38.46) 75(20,41.54) 76(20,38.46) 77(20.4,41.54) 78(20.4,38.46) 79(20.8,41.54) 80(20.8,38.46) 81(21.2,41.54) 82(21.2,38.46) 83(21.6,41.54) 84(21.6,38.46) 85(22,41.54) 86(22,38.46) 87(22.4,41.54) 88(22.4,38.46) 89(22.8,41.54) 90(22.8,38.46) 91(23.2,41.54) 92(23.2,38.46) 93(23.6,41.54) 94(23.6,38.46) 95(24,41.54) 96(24,38.46) 97(24.4,41.54) 98(24.4,38.46) 99(24.8,41.54) 100(24.8,38.46)
  Top Layer keep-out circle w0.1: c27.1,32.1 r2.75
  silkscreen extent 4.12,39.35 30,44.41, body extent 3.71,38.31 26.31,41.69, height 2.85
CON_BW2099_B [mm]
  rect 0.18x0.7 smd mask+0.05: 1(8.2,4.54) 2(8.2,1.46) 3(8.6,4.54) 4(8.6,1.46) 5(9,4.54) 6(9,1.46) 7(9.4,4.54) 8(9.4,1.46) 9(9.8,4.54) 10(9.8,1.46) 11(10.2,4.54) 12(10.2,1.46) 13(10.6,4.54) 14(10.6,1.46) 15(11,4.54) 16(11,1.46) 17(11.4,4.54) 18(11.4,1.46) 19(11.8,4.54) 20(11.8,1.46) 21(12.2,4.54) 22(12.2,1.46) 23(12.6,4.54) 24(12.6,1.46) 25(13,4.54) 26(13,1.46) 27(13.4,4.54) 28(13.4,1.46) 29(13.8,4.54) 30(13.8,1.46) 31(14.2,4.54) 32(14.2,1.46) 33(14.6,4.54) 34(14.6,1.46) 35(15,4.54) 36(15,1.46) 37(15.4,4.54) 38(15.4,1.46) 39(15.8,4.54) 40(15.8,1.46) 41(16.2,4.54) 42(16.2,1.46) 43(16.6,4.54) 44(16.6,1.46) 45(17,4.54) 46(17,1.46) 47(17.4,4.54) 48(17.4,1.46) 49(17.8,4.54) 50(17.8,1.46) 51(18.2,4.54) 52(18.2,1.46) 53(18.6,4.54) 54(18.6,1.46) 55(19,4.54) 56(19,1.46) 57(19.4,4.54) 58(19.4,1.46) 59(19.8,4.54) 60(19.8,1.46) 61(20.2,4.54) 62(20.2,1.46) 63(20.6,4.54) 64(20.6,1.46) 65(21,4.54) 66(21,1.46) 67(21.4,4.54) 68(21.4,1.46) 69(21.8,4.54) 70(21.8,1.46) 71(22.2,4.54) 72(22.2,1.46) 73(22.6,4.54) 74(22.6,1.46) 75(23,4.54) 76(23,1.46) 77(23.4,4.54) 78(23.4,1.46) 79(23.8,4.54) 80(23.8,1.46) 81(24.2,4.54) 82(24.2,1.46) 83(24.6,4.54) 84(24.6,1.46) 85(25,4.54) 86(25,1.46) 87(25.4,4.54) 88(25.4,1.46) 89(25.8,4.54) 90(25.8,1.46) 91(26.2,4.54) 92(26.2,1.46) 93(26.6,4.54) 94(26.6,1.46) 95(27,4.54) 96(27,1.46) 97(27.4,4.54) 98(27.4,1.46) 99(27.8,4.54) 100(27.8,1.46)
  Top Layer keep-out circle w0.1: c2.9,7.9 r2.75
  silkscreen extent 0.01,0 30,5.75, body extent 6.71,1.31 29.31,4.69, height 2.85
CP2102N-A02-GQFN28R [mm] "QFN, 28-Leads, Body 5.00x5.00mm, Pitch 0.50mm, Thermal Pad 3.15x3.15mm, IPC Medium Density"
  oval 1.15x0.3 smd mask+0.05: 1(-2.4,1.5) 2(-2.4,1) 3(-2.4,0.5) 4(-2.4,0) 5(-2.4,-0.5) 6(-2.4,-1) 7(-2.4,-1.5) 15(2.4,-1.5) 16(2.4,-1) 17(2.4,-0.5) 18(2.4,0) 19(2.4,0.5) 20(2.4,1) 21(2.4,1.5)
  oval 0.3x1.15 smd mask+0.05: 8(-1.5,-2.4) 9(-1,-2.4) 10(-0.5,-2.4) 11(0,-2.4) 12(0.5,-2.4) 13(1,-2.4) 14(1.5,-2.4) 22(1.5,2.4) 23(1,2.4) 24(0.5,2.4) 25(0,2.4) 26(-0.5,2.4) 27(-1,2.4) 28(-1.5,2.4)
  rect 3.15x3.15 smd paste-0.635 mask+0.05: 29(0,0)
  silkscreen extent -2.82,-2.73 2.73,2.83, body extent -2.58,-2.57 2.57,2.58, height 1
DFE252012P-1R0M=P2 [mm] "Chip Inductor, 2-Leads, Body 2.40x2.00mm, IPC High Density"
  rect 0.8x2 smd mask+0.05: 1(-1,0) 2(1,0)
  silkscreen extent -0.05,-0.9 0.05,0.9, body extent -1.25,-1.1 1.25,1.1, height 1.2
"ESP32-WROOM-X (PCB)" [mm] "ESP32-WROOM modules, with space left for WROVER"
  rect 2x0.9 smd mask+0.05: 1(-8.5,5.26) 2(-8.5,3.99) 3(-8.5,2.72) 4(-8.5,1.45) 5(-8.5,0.18) 6(-8.5,-1.09) 7(-8.5,-2.36) 8(-8.5,-3.63) 9(-8.5,-4.9) 10(-8.5,-6.17) 11(-8.5,-7.44) 12(-8.5,-8.71) 13(-8.5,-9.98) 14(-8.5,-11.25) 25(8.5,-11.25) 26(8.5,-9.98) 27(8.5,-8.71) 28(8.5,-7.44) 29(8.5,-6.17) 30(8.5,-4.9) 31(8.5,-3.63) 32(8.5,-2.36) 33(8.5,-1.09) 34(8.5,0.18) 35(8.5,1.45) 36(8.5,2.72) 37(8.5,3.99) 38(8.5,5.26)
  rect 0.9x2 smd mask+0.05: 15(-5.715,-12.25) 16(-4.445,-12.25) 17(-3.175,-12.25) 18(-1.905,-12.25) 19(-0.635,-12.25) 20(0.635,-12.25) 21(1.905,-12.25) 22(3.175,-12.25) 23(4.445,-12.25) 24(5.715,-12.25)
  rect 1.33x1.33 smd mask+0.05: 39(-2.835,-4.075) 39(-2.835,-2.24) 39(-2.835,-0.405) 39(-1,-4.075) 39(-1,-2.24) 39(-1,-0.405) 39(0.835,-4.075) 39(0.835,-2.24) 39(0.835,-0.405)
  Keep-Out Layer region: 10,6.45 -10,6.45 -10,14 10,14
  Keep-Out Layer region: 9,6.45 -9,6.45 -9,12.75 9,12.75
  silkscreen extent -10.5,5.2 9.75,7.19, body extent -9,-12.74 9,12.76, height 3.3
FIDUCIAL_ROUND_1MM [mm] "Round, 1mm dia"
  round 1 smd paste-1 mask+0.5: 1(0,0)
  Top Layer keep-out circle w0.025: c0,0 r1
HD3SS3212RKSR [mm] "VQFN-20"
  rrect20% 0.25x0.6 smd mask+0.07: 1(-0.25,2.15) 10(-0.25,-2.15) 11(0.25,-2.15) 20(0.25,2.15)
  rrect20% 0.6x0.25 smd mask+0.07: 2(-1.15,1.75) 3(-1.15,1.25) 4(-1.15,0.75) 5(-1.15,0.25) 6(-1.15,-0.25) 7(-1.15,-0.75) 8(-1.15,-1.25) 9(-1.15,-1.75) 12(1.15,-1.75) 13(1.15,-1.25) 14(1.15,-0.75) 15(1.15,-0.25) 16(1.15,0.25) 17(1.15,0.75) 18(1.15,1.25) 19(1.15,1.75)
  rrect10% 1x3 smd paste-3 mask+0.07: 21(0,0)
  silkscreen extent -1.25,-2.25 1.25,2.53, body extent -1.25,-2.25 1.25,2.25, height 1
ICS-43434 [mm]
  rect 0.6x0.522 smd mask+0.05: 1(-0.9,1.364) 2(-0.9,0.542) 4(0.9,0.542) 5(0.9,1.364) 6(0,1.364)
  oval 0.2x0.5 smd paste-1 mask+0: 3(-0.663,-0.71) 3(0.663,-0.71)
  oval 0.2x0.125 smd rot 135 paste-1 mask+0: 3(-0.555,-0.349) 3(-0.361,-0.155) 3(0.361,-1.265) 3(0.555,-1.071)
  oval 0.2x0.125 smd rot 45 paste-1 mask+0: 3(-0.555,-1.071) 3(-0.361,-1.265) 3(0.361,-0.155) 3(0.555,-0.349)
  oval 0.5x0.2 smd paste-1 mask+0: 3(0,-0.048) 3(0,-1.372)
  round 0.5 hole 0.5 unplated: ""(0,-0.71)
  Top Layer region: -0.412,-0.404 -0.427,-0.425 -0.438,-0.444 -0.449,-0.462 -0.459,-0.481 -0.468,-0.501 -0.477,-0.521 -0.484,-0.541 -0.491,-0.561 -0.497,-0.582 -0.501,-0.603 -0.506,-0.624 -0.509,-0.646 -0.511,-0.667 -0.512,-0.688 -0.513,-0.71 -0.512,-0.732 -0.511,-0.753 -0.509,-0.774 -0.506,-0.796 -0.501,-0.817 -0.497,-0.838 -0.491,-0.859 -0.484,-0.879 -0.477,-0.899 -0.468,-0.919 -0.459,-0.939 -0.449,-0.958 -0.438,-0.976 -0.427,-0.995 -0.412,-1.016 -0.624,-1.228 -0.647,-1.199 -0.669,-1.168 -0.69,-1.137 -0.709,-1.105 -0.727,-1.072 -0.743,-1.038 -0.757,-1.003 -0.77,-0.968 -0.781,-0.932 -0.791,-0.896 -0.799,-0.859 -0.805,-0.822 -0.809,-0.785 -0.812,-0.747 -0.813,-0.71 -0.812,-0.673 -0.809,-0.635 -0.805,-0.598 -0.799,-0.561 -0.791,-0.524 -0.781,-0.488 -0.77,-0.452 -0.757,-0.417 -0.743,-0.382 -0.727,-0.348 -0.709,-0.315 -0.69,-0.283 -0.669,-0.252 -0.647,-0.221 -0.624,-0.192
  Top Layer region: 0.518,-1.334 0.489,-1.357 0.458,-1.379 0.427,-1.4 0.395,-1.419 0.362,-1.437 0.328,-1.453 0.293,-1.467 0.258,-1.48 0.222,-1.491 0.186,-1.501 0.149,-1.509 0.112,-1.515 0.075,-1.519 0.037,-1.522 0,-1.523 -0.037,-1.522 -0.075,-1.519 -0.112,-1.515 -0.149,-1.509 -0.186,-1.501 -0.222,-1.491 -0.258,-1.48 -0.293,-1.467 -0.328,-1.453 -0.362,-1.437 -0.395,-1.419 -0.427,-1.4 -0.458,-1.379 -0.489,-1.357 -0.518,-1.334 -0.306,-1.122 -0.292,-1.132 -0.273,-1.144 -0.255,-1.155 -0.236,-1.166 -0.216,-1.175 -0.196,-1.184 -0.176,-1.192 -0.155,-1.199 -0.134,-1.205 -0.113,-1.21 -0.091,-1.215 -0.07,-1.218 -0.048,-1.22 -0.026,-1.222 -0.004,-1.223 0.017,-1.222 0.039,-1.221 0.061,-1.219 0.082,-1.216 0.104,-1.212 0.125,-1.207 0.146,-1.201 0.167,-1.195 0.188,-1.187 0.208,-1.179 0.228,-1.17 0.247,-1.16 0.266,-1.149 0.284,-1.137 0.306,-1.122
  Top Layer region: 0.647,-0.221 0.669,-0.252 0.69,-0.283 0.709,-0.315 0.727,-0.348 0.743,-0.382 0.757,-0.417 0.77,-0.452 0.781,-0.488 0.791,-0.524 0.799,-0.561 0.805,-0.598 0.809,-0.635 0.812,-0.673 0.813,-0.71 0.812,-0.747 0.809,-0.785 0.805,-0.822 0.799,-0.859 0.791,-0.896 0.781,-0.932 0.77,-0.968 0.757,-1.003 0.743,-1.038 0.727,-1.072 0.709,-1.105 0.69,-1.137 0.669,-1.168 0.647,-1.199 0.624,-1.228 0.412,-1.016 0.422,-1.002 0.434,-0.983 0.445,-0.965 0.456,-0.946 0.465,-0.926 0.474,-0.906 0.482,-0.886 0.489,-0.865 0.495,-0.844 0.5,-0.823 0.505,-0.801 0.508,-0.78 0.51,-0.758 0.512,-0.736 0.513,-0.714 0.512,-0.693 0.511,-0.671 0.509,-0.649 0.506,-0.628 0.502,-0.606 0.497,-0.585 0.491,-0.564 0.485,-0.543 0.477,-0.522 0.469,-0.502 0.46,-0.482 0.45,-0.463 0.439,-0.444 0.427,-0.426 0.412,-0.404 0.624,-0.192
  Top Layer region: 0.037,0.102 0.075,0.099 0.112,0.095 0.149,0.089 0.186,0.081 0.222,0.071 0.258,0.06 0.293,0.047 0.328,0.033 0.362,0.017 0.395,-0.001 0.427,-0.02 0.458,-0.041 0.489,-0.063 0.518,-0.086 0.306,-0.298 0.284,-0.283 0.266,-0.271 0.247,-0.26 0.228,-0.25 0.208,-0.241 0.188,-0.233 0.167,-0.225 0.146,-0.219 0.125,-0.213 0.104,-0.208 0.082,-0.204 0.061,-0.201 0.039,-0.199 0.017,-0.198 -0.004,-0.197 -0.026,-0.198 -0.048,-0.2 -0.07,-0.202 -0.091,-0.205 -0.113,-0.21 -0.134,-0.215 -0.155,-0.221 -0.176,-0.228 -0.196,-0.236 -0.216,-0.245 -0.236,-0.254 -0.255,-0.265 -0.273,-0.276 -0.292,-0.288 -0.306,-0.298 -0.518,-0.086 -0.489,-0.063 -0.458,-0.041 -0.427,-0.02 -0.395,-0.001 -0.362,0.017 -0.328,0.033 -0.293,0.047 -0.258,0.06 -0.222,0.071 -0.186,0.081 -0.149,0.089 -0.112,0.095 -0.075,0.099 -0.037,0.102 0,0.103
  Top Layer lines w0.125: 0,-1.372 cw(c0,-0.71) -0.663,-0.71 cw(c0,-0.71) 0,-0.048 cw(c0,-0.71) 0.663,-0.71 cw(c0,-0.71) 0,-1.372 ; 0,-1.372 0,-1.372 ; 0,-1.372 0,-1.372
  silkscreen extent -1.52,-1.94 2.1,1.94, body extent -1.33,-1.75 1.33,1.75, height 0.98
LM66100DCKR [mm] "SOT23, 6-Leads, Body 2.00x2.10mm, Pitch 0.65mm, IPC Medium Density"
  rect 0.85x0.35 smd mask+0.05: 1(-1.1,0.65) 2(-1.1,0) 3(-1.1,-0.65) 4(1.1,-0.65) 5(1.1,0) 6(1.1,0.65)
  silkscreen extent -1.23,-1.1 0.3,1.5, body extent -1.2,-1.08 1.2,1.08, height 1.1
MCSJK-7U-24.00-12-30-60-B-30 [mm]
  rect 1.4x1.2 smd paste-10 mask+0.05: 1(-1.1,-0.85) 2(1.1,-0.85) 3(1.1,0.85) 4(-1.1,0.85)
  silkscreen extent -2.6,-1.3 1.7,1.3, body extent -1.6,-1.25 1.6,1.25, height 0.82